# KiCad board GORAT circuit diagram.kicad_pcb
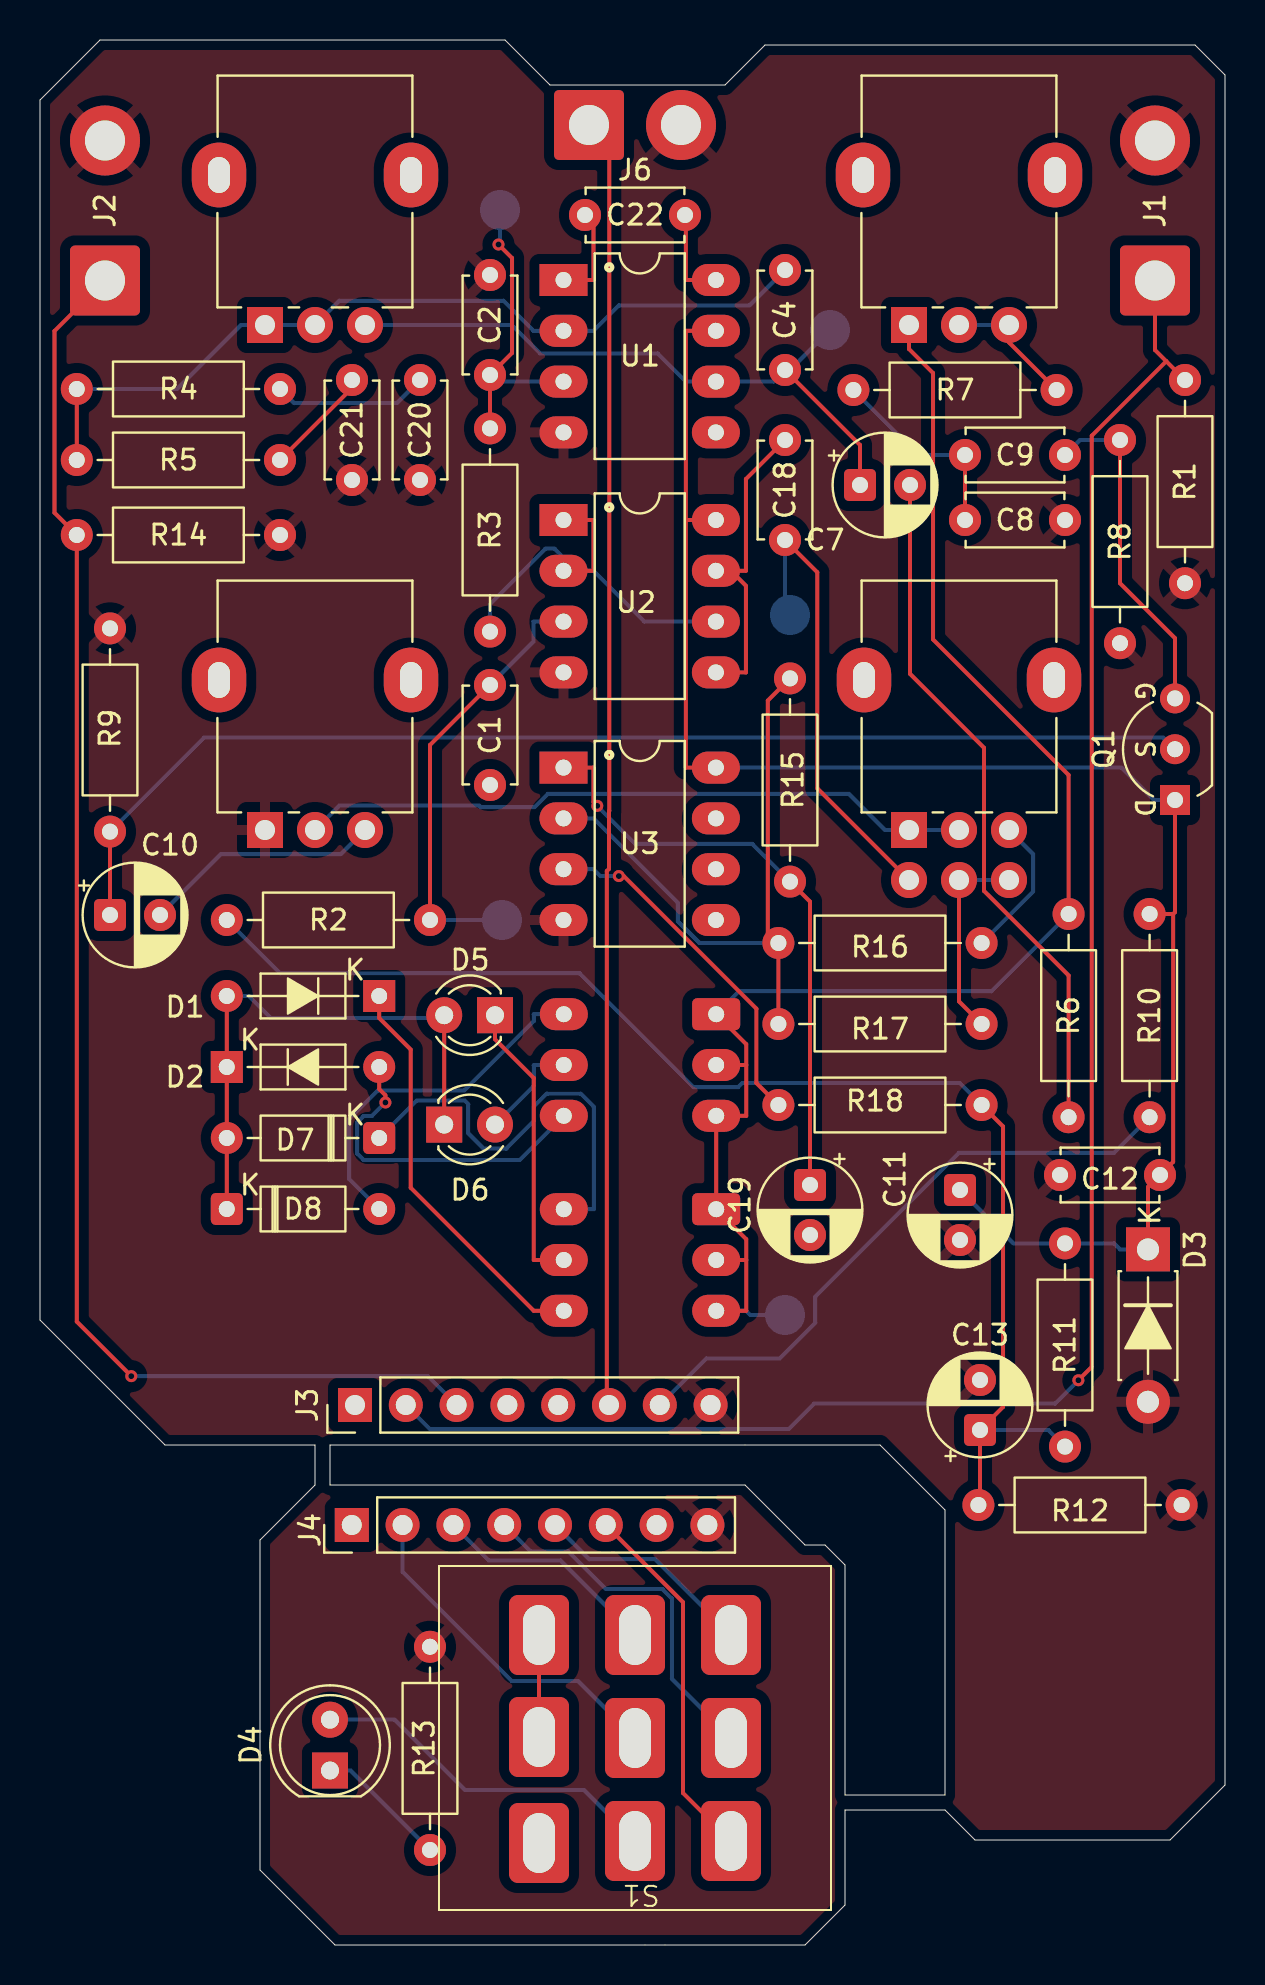
[diagram p0: board, top side]
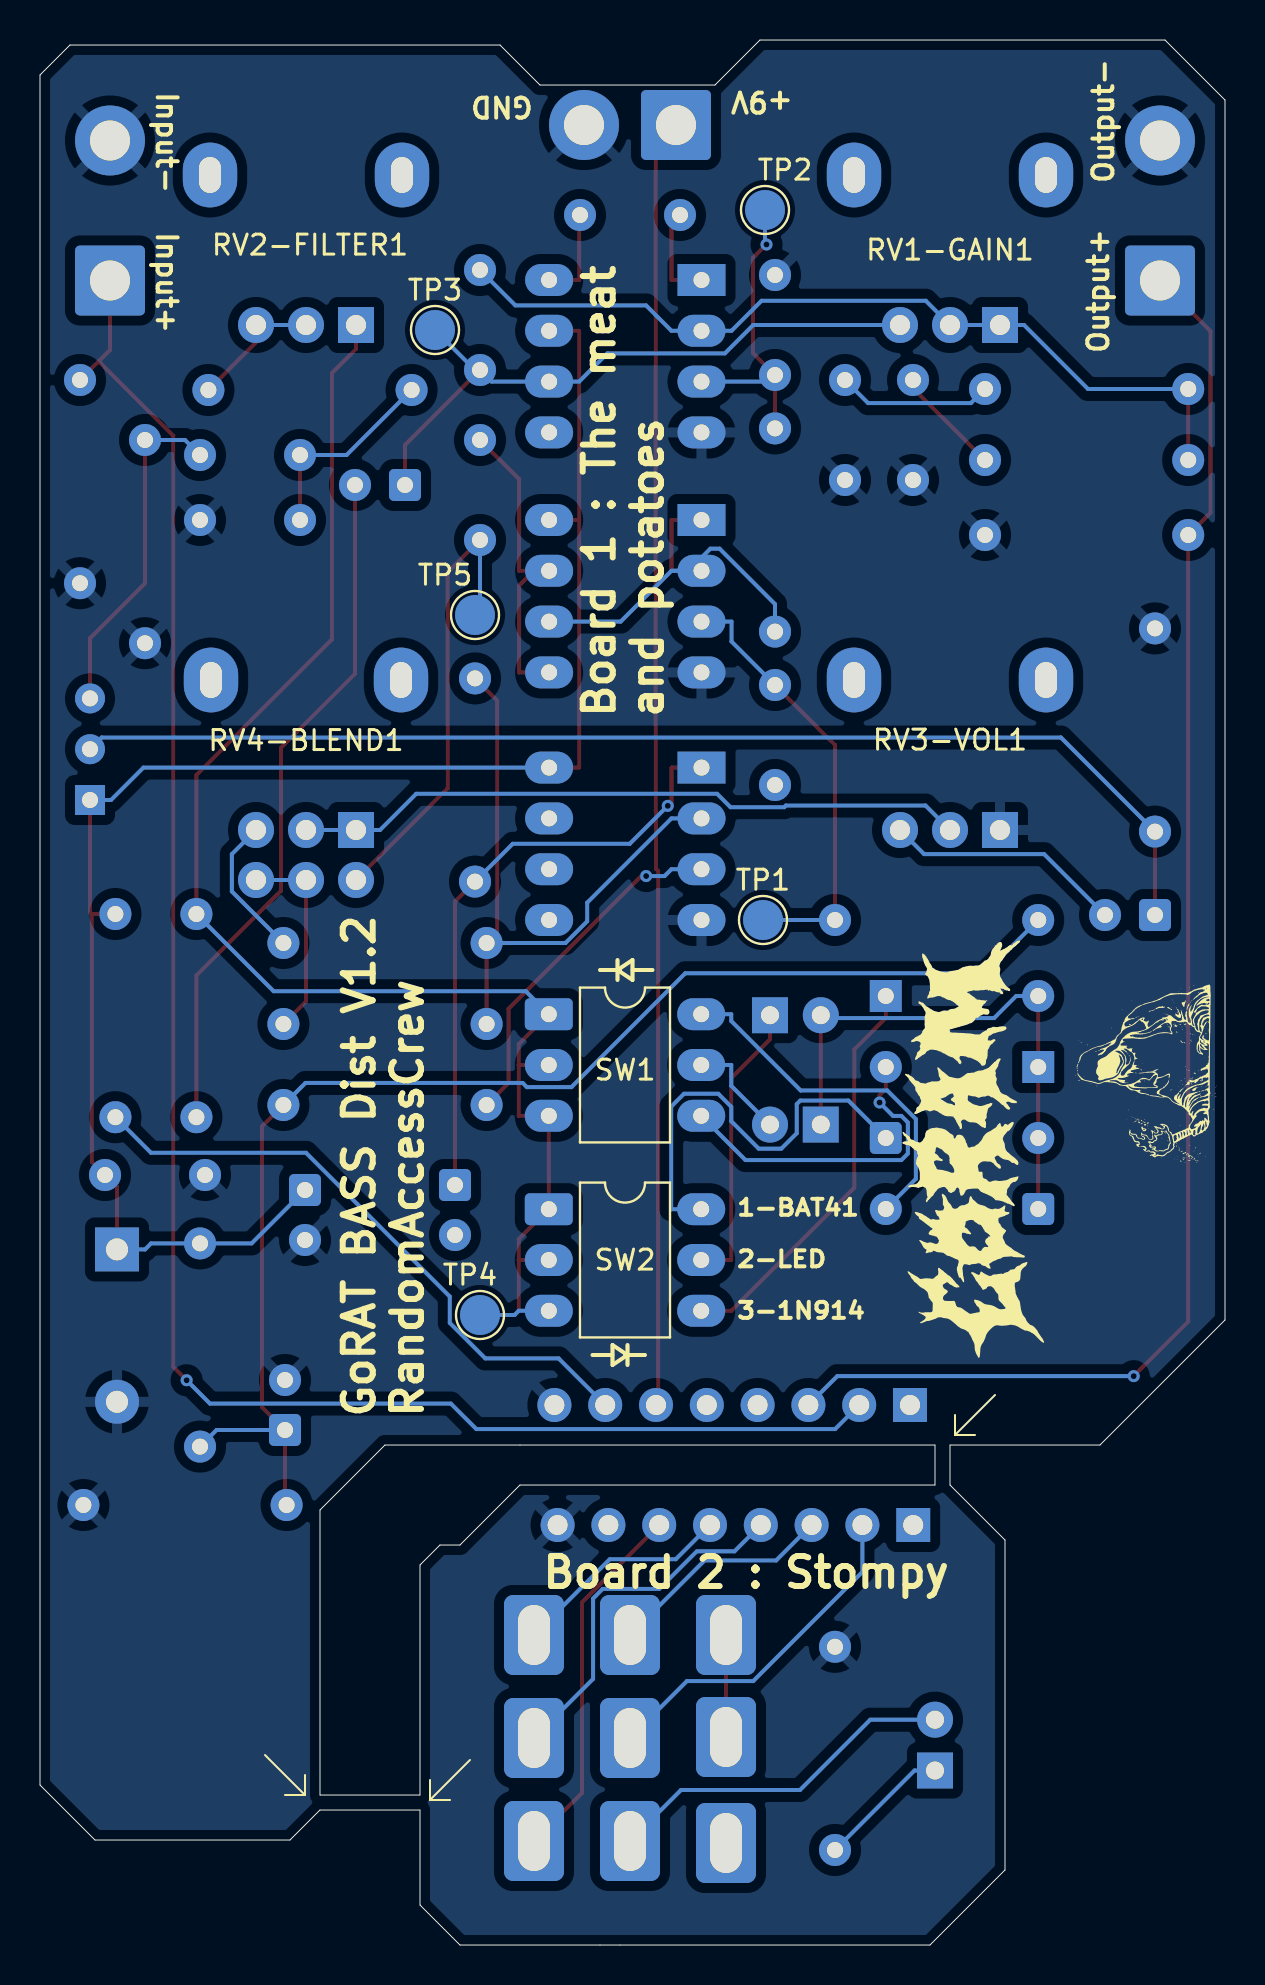
[diagram p1: board, bottom side, seen from below]

Outline 59.25 x 95.25 mm; copper layers: Top, Bottom. Coordinates in mm from the lower left corner of the outline.
Outline path: 0,92.25 0,31.25 6.25,25 13.75,25 13.75,23 11,20.25 11,3.75 14.75,0 38.25,0 40.25,2 40.25,6.75 45.25,6.75 46.75,5.25 56.5,5.25 59.25,8 59.25,93.5 57.75,95 36.25,95 34.25,93 25.5,93 23.25,95.25 3,95.25 0,92.25 ; 14.5,25 42,25 45.25,21.75 45.25,7.5 40.25,7.5 40.25,19 39.25,20 38.25,20 35.25,23 14.5,23 14.5,25

## Placement (name value [footprint] x y rotation side)
C1  22n  [C_Disc_D4.7mm_W2.5mm_P5.00mm]  22.5 58 90 top
C2  1n  [C_Disc_D4.7mm_W2.5mm_P5.00mm]  22.5 83.5 270 top
C4  100p  [C_Disc_D4.7mm_W2.5mm_P5.00mm]  37.25 78.75 90 top
C7  4.7u  [CP_Radial_D5.0mm_P2.50mm]  41 73 0 top
C8  3.3n  [C_Disc_D4.7mm_W2.5mm_P5.00mm]  51.25 71.25 180 top
C9  22n  [C_Disc_D4.7mm_W2.5mm_P5.00mm]  51.25 74.5 180 top
C10  1u  [CP_Radial_D5.0mm_P2.50mm]  3.5 51.5 0 top
C11  100u  [CP_Radial_D5.0mm_P2.50mm]  46 37.75 270 top
C12  0.1u  [C_Disc_D4.7mm_W2.5mm_P5.00mm]  51 38.5 0 top
C13  1u  [CP_Radial_D5.0mm_P2.50mm]  47 25.75 90 top
C18  470n  [C_Disc_D4.7mm_W2.5mm_P5.00mm]  37.25 75.25 270 top
C19  1u  [CP_Radial_D5.0mm_P2.50mm]  38.5 38 270 top
C20  220n  [C_Disc_D4.7mm_W2.5mm_P5.00mm]  19 73.25 90 top
C21  470n  [C_Disc_D4.7mm_W2.5mm_P5.00mm]  15.6 73.25 90 top
C22  33p  [C_Disc_D4.7mm_W2.5mm_P5.00mm]  32.25 86.5 180 top
D1  1N914  [D_DO-35_SOD27_P7.62mm_Horizontal#2]  16.96 47.45 180 top
D2  1N914  [D_DO-35_SOD27_P7.62mm_Horizontal#2]  9.34 43.9 0 top
D3  1N4002  [D_DO-41_SOD81_P7.62mm_Horizontal]  55.4 34.78 270 top
D4  Red  [LED_D5.0mm]  14.5 8.72 90 top
D5  Red  [LED_D3.0mm]  22.75 46.49 180 top
D6  Red  [LED_D3.0mm]  20.21 41.02 0 top
D7  BAT41  [D_DO-35_SOD27_P7.62mm_Horizontal]  16.96 40.35 180 top
D8  BAT41  [D_DO-35_SOD27_P7.62mm_Horizontal]  9.34 36.8 0 top
J1  AudioJack2  [SolderWire-0.75sqmm_1x02_P7mm_D1.25mm_OD3.5mm]  55.75 83.22 90 top
J2  AudioJack2  [SolderWire-0.75sqmm_1x02_P7mm_D1.25mm_OD3.5mm]  3.25 83.22 90 top
J3  Conn_01x08_Socket  [PinHeader_1x08_P2.54mm_Vertical]  15.75 27 90 top
J4  Conn_01x08_Socket  [PinHeader_1x08_P2.54mm_Vertical]  15.59 21 90 top
J6  Barrel_Jack  [SolderWire-0.5sqmm_1x02_P4.6mm_D0.9mm_OD2.1mm]  27.45 91 0 top
Q1  J111  [TO-92_Inline_Wide_DSG]  56.75 57.25 90 top
R1  1M  [R_Axial_DIN0207_L6.3mm_D2.5mm_P10.16mm_Horizontal]  57.25 68.09 90 top
R2  1M  [R_Axial_DIN0207_L6.3mm_D2.5mm_P10.16mm_Horizontal]  19.5 51.25 180 top
R3  1K  [R_Axial_DIN0207_L6.3mm_D2.5mm_P10.16mm_Horizontal]  22.5 75.83 270 top
R4  47  [R_Axial_DIN0207_L6.3mm_D2.5mm_P10.16mm_Horizontal]  1.84 77.8 0 top
R5  560  [R_Axial_DIN0207_L6.3mm_D2.5mm_P10.16mm_Horizontal]  1.84 74.25 0 top
R6  1K  [R_Axial_DIN0207_L6.3mm_D2.5mm_P10.16mm_Horizontal]  51.43 51.55 270 top
R7  1.5K  [R_Axial_DIN0207_L6.3mm_D2.5mm_P10.16mm_Horizontal]  40.67 77.75 0 top
R8  1M  [R_Axial_DIN0207_L6.3mm_D2.5mm_P10.16mm_Horizontal]  54 75.25 270 top
R9  10K  [R_Axial_DIN0207_L6.3mm_D2.5mm_P10.16mm_Horizontal]  3.5 55.67 90 top
R10  47  [R_Axial_DIN0207_L6.3mm_D2.5mm_P10.16mm_Horizontal]  55.48 41.39 90 top
R11  100K  [R_Axial_DIN0207_L6.3mm_D2.5mm_P10.16mm_Horizontal]  51.25 24.92 90 top
R12  100K  [R_Axial_DIN0207_L6.3mm_D2.5mm_P10.16mm_Horizontal]  57.08 22 180 top
R13  2.2k  [R_Axial_DIN0207_L6.3mm_D2.5mm_P10.16mm_Horizontal]  19.5 4.75 90 top
R14  1M  [R_Axial_DIN0207_L6.3mm_D2.5mm_P10.16mm_Horizontal]  12 70.5 180 top
R15  22k  [R_Axial_DIN0207_L6.3mm_D2.5mm_P10.16mm_Horizontal]  37.5 63.33 270 top
R16  22k  [R_Axial_DIN0207_L6.3mm_D2.5mm_P10.16mm_Horizontal]  47.08 50.1 180 top
R17  22k  [R_Axial_DIN0207_L6.3mm_D2.5mm_P10.16mm_Horizontal]  47.08 46.05 180 top
R18  1M  [R_Axial_DIN0207_L6.3mm_D2.5mm_P10.16mm_Horizontal]  47.08 42 180 top
RV1-GAIN1  100K  [Potentiometer_Alpha_RD901F-40-00D_Single_Vertical]  11.25 81 90 top
RV2-FILTER1  100K  [Potentiometer_Alpha_RD901F-40-00D_Single_Vertical]  43.45 81 90 top
RV3-VOL1  100K  [Potentiometer_Alpha_RD901F-40-00D_Single_Vertical]  11.25 55.75 90 top
RV4-BLEND1  100K  [Potentiometer_Alpha_RD902F-40-00D_Dual_Vertical]  43.45 55.75 90 top
S1  SWITCH-3PDT  [3PDT]  29.75 10.35 180 top
SW1  SW_DIP_x03  [DIP-6_W7.62mm_LongPads]  33.81 46.54 180 bottom
SW2  SW_DIP_x03  [DIP-6_W7.62mm_LongPads]  33.81 36.79 180 bottom
TP1  Input  [TestPoint_Pad_D2.0mm]  23.1 51.25 180 bottom
TP2  Pre-gain  [TestPoint_Pad_D2.0mm]  23 86.75 180 bottom
TP3  Post-gain  [TestPoint_Pad_D2.0mm]  39.5 80.75 180 bottom
TP4  Clipping  [TestPoint_Pad_D2.0mm]  37.25 31.5 180 bottom
TP5  Dry  [TestPoint_Pad_D2.0mm]  37.5 66.5 180 bottom
U1  OP07CP  [DIP-8_W7.62mm_LongPads]  26.18 83.25 0 top
U2  TL072ACP  [DIP-8_W7.62mm_LongPads]  26.18 71.25 0 top
U3  TL072ACP  [DIP-8_W7.62mm_LongPads]  26.18 58.87 0 top

## Library data of the parts
C1 C2 C4 C8 C9 C12 C18 C20-C22 = -: Description: Unpolarized capacitor; ki_fp_filters: C_*
C7 C10 C11 C13 C19 = -: Description: Polarized capacitor; ki_fp_filters: CP_*
D1 = -: Datasheet: https://datasheet.octopart.com/1N914ATR-ON-Semiconductor-datasheet-42765246.pdf; Description: DO-35 Diode, Small Signal, Fast Switching, 75V, 200mA, 4ns, Alternate KiCad Library; Sim.Device: D; Sim.Pins: 1=K 2=A; Sim.Library: C:\Users\nh22239\Downloads\1N914.lib; ki_fp_filters: TO-???* *_Diode_* *SingleDiode* D_*
D2 = -: Datasheet: https://datasheet.octopart.com/1N914ATR-ON-Semiconductor-datasheet-42765246.pdf; Description: DO-35 Diode, Small Signal, Fast Switching, 75V, 200mA, 4ns, Alternate KiCad Library; Sim.Library: C:\Users\nh22239\Downloads\1N914.lib; Sim.Device: D; Sim.Pins: 1=A 2=K; ki_fp_filters: TO-???* *_Diode_* *SingleDiode* D_*
D3 = -: Datasheet: https://www.tme.eu/Document/5f8ffc5ac30fc86bac97d66040bf5502/1n400x.pdf; Description: DO-41 Diode, Rectifier, 100V, 1A, Alternate KiCad Library; Sim.Library: C:\Users\nh22239\Downloads\1N4002.lib; Sim.Device: D; Sim.Pins: 1=A 2=K; ki_fp_filters: TO-???* *_Diode_* *SingleDiode* D_*
D4-D6 = -: Datasheet: https://cdn.sparkfun.com/assets/e/c/e/c/5/COM-09590-YSL-R531R3D-D2.pdf; Description: Light emitting diode PTH 5mm diameter; PROD_ID: DIO-09529; ki_fp_filters: LED* LED_SMD:* LED_THT:*
D7 D8 = -: Datasheet: http://www.vishay.com/docs/85659/bat41.pdf; Description: 100V 0.1A Small Signal Schottky Diode, DO-35; ki_fp_filters: D*DO?35*
J1 J2 = -: Description: Audio Jack, 2 Poles (Mono / TS); ki_fp_filters: Jack*
J3 J4 = -: Description: Generic connector, single row, 01x08, script generated; ki_fp_filters: Connector*:*_1x??_*
J6 = -: Description: DC Barrel Jack; ki_fp_filters: BarrelJack*
Q1 = -: Datasheet: https://www.tme.eu/Document/2ab8d7a6d6d8a209f9d7deeb52763e9f/J111.pdf; Description: TO-92 N-JFET transistor, 35V, 20mA, 625mW, Alternate KiCAD Library
R1-R18 = -: Description: Resistor; ki_fp_filters: R_*
RV1-GAIN1 RV2-FILTER1 RV3-VOL1 = -: Description: Potentiometer; ki_fp_filters: Potentiometer*
RV4-BLEND1 = -: Description: Dual potentiometer, separate units; ki_fp_filters: Potentiometer*
S1 = -: ki_fp_filters: *STOMP-SWITCH-3PDT*
SW1 SW2 = -: Description: 3x DIP Switch, Single Pole Single Throw (SPST) switch, small symbol; ki_fp_filters: SW?DIP?x3*
TP1-TP5 = -: Description: test point; ki_fp_filters: Pin* Test*
U1 = -: Datasheet: http://web.mit.edu/6.301/www/LM108.pdf; Description: DIP-8 Superbeta Operational Amplifier, 7nA Input Bias Current, 7.5mV Offset, 30μV/°C Drift, Alternate KiCAD Library; Sim.Device: SUBCKT; Sim.Library: C:\Users\nh22239\Downloads\lm3082.lib; Sim.Name: LM308_SYMBOL; Sim.Pins: 1=6 2=2 3=1 4=4 6=5 7=3 8=7 8=8
U2 U3 = -: Datasheet: https://www.ti.com/lit/ds/symlink/tl072h.pdf?ts=1635057479364; Description: DIP-8 Dual JFET Low Noise Operational Amplifier, 6mV Offset, 8nV/√Hz Noise, 1MHz GBW, Alternate KiCAD Library

## Footprints (pads in the part's own frame, mm; a bottom-side part is the same pattern mirrored in y, then rotated)
3PDT
  rrect 3x4 hole 1.6x3: P$1(-4.8,-5.15) P$2(0,-5.15) P$3(4.8,-5.15) P$4(-4.8,0) P$5(0,0) P$6(4.8,-0.05) P$7(-4.8,5.15) P$8(0,5.15) P$9(4.8,5.25)
C_Disc_D4.7mm_W2.5mm_P5.00mm
  round 1.6 hole 0.8: 1(0,0) 2(5,0)
CP_Radial_D5.0mm_P2.50mm
  rrect 1.6x1.6 hole 0.8: 1(0,0)
  round 1.6 hole 0.8: 2(2.5,0)
D_DO-35_SOD27_P7.62mm_Horizontal
  rrect 1.6x1.6 hole 0.8: 1(0,0)
  round 1.6 hole 0.8: 2(7.62,0)
D_DO-35_SOD27_P7.62mm_Horizontal#2
  rect 1.6x1.6 hole 0.8: 1(0,0)
  oval 1.6x1.6 hole 0.8: 2(7.62,0)
D_DO-41_SOD81_P7.62mm_Horizontal
  rect 2.2x2.2 hole 1.1: 1(0,0)
  oval 2.2x2.2 hole 1.1: 2(7.62,0)
DIP-6_W7.62mm_LongPads
  rrect 2.4x1.6 hole 0.8: 1(0,0)
  oval 2.4x1.6 hole 0.8: 2(0,-2.54) 3(0,-5.08) 4(7.62,-5.08) 5(7.62,-2.54) 6(7.62,0)
DIP-8_W7.62mm_LongPads
  rect 2.4x1.6 hole 0.8: 1(0,0)
  oval 2.4x1.6 hole 0.8: 2(0,-2.54) 3(0,-5.08) 4(0,-7.62) 5(7.62,-7.62) 6(7.62,-5.08) 7(7.62,-2.54) 8(7.62,0)
LED_D3.0mm
  rect 1.8x1.8 hole 0.9: 1(0,0)
  round 1.8 hole 0.9: 2(2.54,0)
LED_D5.0mm
  rect 1.8x1.8 hole 0.9: 1(0,0)
  round 1.8 hole 0.9: 2(2.54,0)
PinHeader_1x08_P2.54mm_Vertical
  rect 1.7x1.7 hole 1: 1(0,0)
  round 1.7 hole 1: 2(0,-2.54) 3(0,-5.08) 4(0,-7.62) 5(0,-10.16) 6(0,-12.7) 7(0,-15.24) 8(0,-17.78)
Potentiometer_Alpha_RD901F-40-00D_Single_Vertical
  oval 3.24x2.72 hole 1.8x1.1: (7.5,2.3) (7.5,-7.3)
  rect 1.8x1.8 hole 1: 1(0,0)
  round 1.8 hole 1: 2(0,-2.5) 3(0,-5)
Potentiometer_Alpha_RD902F-40-00D_Dual_Vertical
  oval 3.24x2.72 hole 1.8x1.1: (7.5,2.25) (7.5,-7.25)
  rect 1.8x1.8 hole 1: 1(0,0)
  round 1.8 hole 1: 2(0,-2.5) 3(0,-5) 4(-2.5,0) 5(-2.5,-2.5) 6(-2.5,-5)
R_Axial_DIN0207_L6.3mm_D2.5mm_P10.16mm_Horizontal
  round 1.6 hole 0.8: 1(0,0) 2(10.16,0)
SolderWire-0.5sqmm_1x02_P4.6mm_D0.9mm_OD2.1mm
  rrect 3.5x3.5 hole 2: 1(0,0)
  round 3.5 hole 2: 2(4.6,0)
SolderWire-0.75sqmm_1x02_P7mm_D1.25mm_OD3.5mm
  rrect 3.5x3.5 hole 2: 1(0,0)
  round 3.5 hole 2: 2(7,0)
TestPoint_Pad_D2.0mm
  round 2 smd: 1(0,0)
TO-92_Inline_Wide_DSG
  rect 1.5x1.5 hole 0.8: 1(0,0)
  round 1.5 hole 0.8: 2(2.54,0) 3(5.08,0)

## Nets
+4.5V: C13.1 R2.2 R11.1 R12.2 R18.1
+9V: C11.1 C12.2 D3.1 Q1.1 R10.2 R11.2 U1.7 U2.8 U3.8
/+9v Jack1: J3.6 J6.1
/+9v Jack2: J4.6 S1.P$7
GND: C2.1 C8.1 C11.2 C12.1 C13.2 C20.1 C21.1 D3.2 J1.2 J2.2 J3.8 J6.2 R1.1 R8.2 R9.2 R12.1 R14.1 RV3-VOL1.1 U1.4 U2.4 U3.4
GND2: J4.8 R13.2
GND3: D1.2 D2.1 D5.2 D6.1 D7.2 D8.1
Vin1: J3.7 R10.1
Vin2: J4.7
/Bypass: S1.P$3 S1.P$6
/JackIn1: J1.1 J3.2 R1.2
/JackIn2: J4.2 S1.P$5
/JackOut1: J2.1 J3.3 R14.2
/JackOut2: J4.3 S1.P$2
/Off: S1.P$9
Bypass1: J3.1
Bypass2: J4.1
SigDRY: C18.2 RV4-BLEND1.4 TP5.1
SigIn: C1.1
SigIn1: J3.4
SigIn2: J4.4 S1.P$4
SigOut: C19.2
SigOut1: J3.5
SigOut2: J4.5 S1.P$1
SigRAT: RV3-VOL1.2 RV4-BLEND1.1 RV4-BLEND1.2
Net-(C4-Pad1): C4.1 C7.1 RV1-GAIN1.3 TP3.1 U1.6
Net-(C7-Pad2): C7.2 R6.2
Net-(C8-Pad2): C8.2 C9.2 R7.1
Net-(C10-Pad2): C10.2 RV3-VOL1.3
Net-(C19-Pad1): C19.1 R15.2 U3.1
Net-(C20-Pad2): C20.2 R4.2
Net-(C21-Pad2): C21.2 R5.2
Net-(C22-Pad1): C22.1 U1.8
Net-(C22-Pad2): C22.2 U1.1
Net-(D1-K): D1.1 SW2.4
Net-(D2-A): D2.2 SW1.4
Net-(D4-A): D4.2 S1.P$8
Net-(D4-K): D4.1 R13.1
Net-(D5-K): D5.1 SW2.5
Net-(D6-A): D6.2 SW1.5
Net-(D7-K): D7.1 SW2.6
Net-(D8-A): D8.2 SW1.6
Net-(Q1-G): C9.1 Q1.3 R8.1
Net-(Q1-S): C10.1 Q1.2 R9.1
Net-(R6-Pad1): R6.1 RV2-FILTER1.1 SW1.1 SW1.2 SW1.3 SW2.1 SW2.2 SW2.3 TP4.1
Net-(R7-Pad2): R7.2 RV2-FILTER1.2 RV2-FILTER1.3
Net-(R16-Pad1): R16.1 RV4-BLEND1.3
Net-(R17-Pad1): R17.1 RV4-BLEND1.5 RV4-BLEND1.6
Net-(U1-+): C2.2 R3.1 TP2.1 U1.3
Net-(U1--): C4.2 R4.1 R5.1 RV1-GAIN1.1 RV1-GAIN1.2 U1.2
Net-(U2A-+): C1.2 R2.1 TP1.1 U2.3
Net-(U2A--): R3.2 U2.1 U2.2 U2.6
Net-(U2B-+): C18.1 U2.5 U2.7
Net-(U3A-+): R18.2 U3.3
Net-(U3A--): R15.1 R16.2 R17.2 U3.2

Pads without a net: U1 5; U3 5 6 7

## Via types
v1: diameter 0.6, hole 0.3, Top to Bottom, 6 vias

## Routing (per net, layer and track width the routed paths; a pad name or vN(x,y) marks a point on that pad's centre or on a via; arc(x,y) is an arc through that point)
+4.5V: length 67.3
  Top w0.2: R12.2 47,22.08 C13.1 48.15,26.9 48.15,40.93 R18.1
  Bottom w0.2: R18.1 45.98,43.1 35.12,43.1 34.91,42.89 32.68,42.89 26.98,48.59 12,48.59 R2.2 ; C13.1 50.42,25.75 R11.1
+9V: length 84.8
  Top w0.2: 32.29,71.25 32.29,80.71 33.79,80.71 ; 32.29,71.25 33.79,71.25 ; 32.29,71.25 32.29,58.87 33.79,58.87 ; 56.66,51.55 56.66,39.16 C12.2 55.4,37.9 D3.1 ; 56.66,51.55 56.75,51.64 Q1.1 ; 56.66,51.55 R10.2
  Bottom w0.2: Q1.1 55.7,57.25 54.08,58.87 33.79,58.87 ; D3.1 54,34.78 53.7,35.08 R11.2 48.67,35.08 C11.1
/+9v Jack1: length 64.5
  Top w0.2: J6.1 28.46,89.99 28.46,56.71 28.45,56.69 28.45,53.81 28.34,53.7 28.34,27.11 J3.6
/+9v Jack2: length 18.4
  Top w0.2: S1.P$7 32.15,7.6 32.15,17.14 J4.6
GND3: length 27.5
  Top w0.2: D5.2 D6.1 ; D1.2 D2.1 D7.2 D8.1
  Bottom w0.2: D1.2 10.44,47.45 11.54,46.35 20.07,46.35 D5.2
Vin1: length 31.2
  Bottom w0.2: J3.7 33.32,29.33 36.98,29.33 38.76,31.11 38.76,32.42 45.95,39.61 53.7,39.61 R10.1
/Bypass: length 5.1
  Top w0.2: S1.P$3 S1.P$6
/JackIn1: length 93.5
  Top w0.2: 56.31,79.19 55.75,79.75 J1.1 ; 56.31,79.19 52.59,75.46 52.59,28.91 v1(51.92,28.24) ; 56.31,79.19 R1.2
  Bottom w0.2: v1(51.92,28.24) 50.75,27.07 38.71,27.07 37.44,25.8 19.49,25.8 J3.2
/JackIn2: length 17.4
  Bottom w0.2: S1.P$5 26.9,13.2 23.59,13.2 18.13,18.65 J4.2
/JackOut1: length 74.3
  Top w0.2: v1(4.56,28.44) 1.84,31.17 R14.2 0.72,71.61 0.72,80.7 J2.1
  Bottom w0.2: v1(4.56,28.44) 19.39,28.44 J3.3
/JackOut2: length 11.4
  Bottom w0.2: S1.P$2 26.02,19.23 22.44,19.23 J4.3
SigDRY: length 23.4
  Top w0.2: RV4-BLEND1.4 38.86,57.84 38.86,68.64 C18.2
  Bottom w0.2: TP5.1 37.25,66.75 C18.2
SigIn2: length 18.1
  Bottom w0.2: S1.P$4 31.6,13.3 31.6,17.32 31.11,17.8 28.29,17.8 26.41,19.68 24.53,19.68 J4.4
SigOut2: length 11.1
  Bottom w0.2: J4.5 27.46,19.29 30.76,19.29 S1.P$1
SigRAT: length 33.8
  Bottom w0.2: RV4-BLEND1.2 RV4-BLEND1.1 42.25,55.75 40.44,57.56 25.39,57.56 24.73,56.89 22.04,56.89 21.96,56.97 14.97,56.97 RV3-VOL1.2
Net-(C4-Pad1): length 32.9
  Top w0.2: C4.1 41,75 C7.1
  Bottom w0.2: C4.1 37.5,78.75 TP3.1 ; C4.1 36.67,78.17 32.29,78.17 30.88,79.58 25.01,79.58 23.59,81 RV1-GAIN1.3 ; C4.1 37.36,78.86
Net-(C7-Pad2): length 34.9
  Top w0.2: R6.2 51.43,48.48 47.2,52.71 47.2,59.86 43.5,63.56 C7.2
Net-(C8-Pad2): length 10.2
  Top w0.2: C8.2 C9.2
  Bottom w0.2: C9.2 43.92,74.5 R7.1
Net-(C10-Pad2): length 12
  Bottom w0.2: C10.2 9.04,54.54 15.04,54.54 RV3-VOL1.3
Net-(C19-Pad1): length 30.3
  Top w0.2: U3.1 27.68,58.87 27.68,57.14 v1(27.86,56.96) ; R15.2 38.5,52.17 C19.1
  Bottom w0.2: R15.2 35.61,55.06 29.76,55.06 v1(27.86,56.96)
Net-(C20-Pad2): length 7.8
  Bottom w0.2: C20.2 17.85,77.1 12.7,77.1 R4.2
Net-(C21-Pad2): length 5.5
  Top w0.2: R5.2 15.6,77.85 C21.2
Net-(C22-Pad1): length 4.8
  Top w0.2: C22.1 32.29,86.46 32.29,83.25 33.79,83.25
Net-(C22-Pad2): length 4.9
  Top w0.2: C22.2 27.68,86.07 27.68,83.25 U1.1
Net-(D1-K): length 20.4
  Top w0.2: D1.1 16.96,46.35 18.54,44.77 18.54,37.86 24.69,31.71 SW2.4
Net-(D2-A): length 16.7
  Top w0.2: v1(17.27,42.12) 17.27,42.49 16.96,42.8 D2.2
  Bottom w0.2: v1(17.27,42.12) 16.6,41.45 16.18,41.45 15.86,41.13 15.86,39.57 16.18,39.25 23.98,39.25 SW1.4
Net-(D4-A): length 17.8
  Bottom w0.2: D4.2 17.74,11.26 21.25,7.75 27.2,7.75 S1.P$8
Net-(D4-K): length 6.6
  Bottom w0.2: D4.1 15.53,8.72 R13.1
Net-(D5-K): length 14.5
  Top w0.2: SW2.5 24.69,34.25 24.69,43.35 22.75,45.29 D5.1
Net-(D6-A): length 5.3
  Bottom w0.2: SW1.5 24.69,44 24.69,42.96 D6.2
Net-(D7-K): length 21.8
  Bottom w0.2: D7.1 18.83,42.22 21.24,42.22 21.41,42.05 21.41,40.59 22.18,39.82 23.31,39.82 24.69,41.19 24.69,41.92 25.33,42.56 27.05,42.56 27.69,41.92 27.69,36.79 SW2.6
Net-(D8-A): length 18.2
  Bottom w0.2: D8.2 15.46,38.3 15.46,41.3 16.89,42.73 21.22,42.73 24.69,46.2 24.69,46.54 SW1.6
Net-(Q1-G): length 17.1
  Top w0.2: Q1.3 56.75,65.34 54,68.09 R8.1
  Bottom w0.2: R8.1 52,75.25 C9.1
Net-(Q1-S): length 59.6
  Top w0.2: R9.1 C10.1
  Bottom w0.2: R9.1 8.2,60.37 56.17,60.37 Q1.2
Net-(R6-Pad1): length 78.4
  Top w0.2: SW2.2 35.31,34.25 ; 35.31,34.25 35.31,31.71 SW2.3 ; 35.31,34.25 35.31,35.29 SW2.1 33.81,40.71 34.56,41.46 ; SW1.2 35.31,44 ; 35.31,44 35.31,41.46 34.56,41.46 ; 35.31,44 35.31,45.04 SW1.1 ; SW1.3 34.56,41.46 ; R6.1 51.43,58.5 44.65,65.28 44.65,78.6 43.45,79.8 RV2-FILTER1.1
  Bottom w0.2: SW2.3 35.31,31.71 35.52,31.5 TP4.1 ; R6.1 47.57,47.69 34.96,47.69 SW1.1
Net-(R7-Pad2): length 6.7
  Top w0.2: R7.2 48.45,80.13 RV2-FILTER1.3
  Bottom w0.2: RV2-FILTER1.3 RV2-FILTER1.2
Net-(R16-Pad1): length 7.2
  Bottom w0.2: R16.1 49.66,52.68 49.66,54.54 RV4-BLEND1.3
Net-(R17-Pad1): length 10.2
  Top w0.2: R17.1 45.95,47.18 RV4-BLEND1.5
  Bottom w0.2: RV4-BLEND1.5 RV4-BLEND1.6
Net-(U1-+): length 15.5
  Top w0.2: R3.1 C2.2 23.6,79.6 23.6,84.35 v1(22.92,85.03)
  Bottom w0.2: C2.2 22.83,78.17 U1.3 ; TP2.1 23,85.1 v1(22.92,85.03)
Net-(U1--): length 42.7
  Top w0.2: R5.1 R4.1
  Bottom w0.2: R4.1 6.85,77.8 10.05,81 RV1-GAIN1.1 RV1-GAIN1.2 14.96,82.21 23.17,82.21 24.67,80.71 U1.2 27.68,80.71 28.95,81.98 35.48,81.98 C4.2
Net-(U2A-+): length 22.2
  Top w0.2: C1.2 19.5,60 R2.1
  Bottom w0.2: C1.2 24.67,65.17 24.67,66.17 U2.3 ; R2.1 TP1.1
Net-(U2A--): length 22.4
  Top w0.2: U2.2 27.68,68.71 27.68,71.25 U2.1
  Bottom w0.2: 33.79,66.17 30.22,66.17 27.68,68.71 ; 27.68,68.71 26.84,68.71 25.73,69.82 25.27,69.82 22.5,67.05 R3.2 ; 27.68,68.71 U2.2
Net-(U2B-+): length 15.7
  Top w0.2: C18.1 35.3,73.3 35.3,68.71 34.55,68.71 ; 34.55,68.71 33.79,68.71 ; 34.55,68.71 35.3,67.96 35.3,63.63 33.79,63.63
Net-(U3A-+): length 17.8
  Top w0.2: v1(28.94,53.45) 29.19,53.45 35.82,46.82 35.82,43.1 R18.2
  Bottom w0.2: U3.3 27.68,53.79 28.02,53.45 v1(28.94,53.45)
Net-(U3A--): length 31.8
  Top w0.2: R15.1 36.39,62.22 36.39,50.63 R16.2 R17.2
  Bottom w0.2: R16.2 32.98,50.1 31.89,51.19 31.89,52.12 27.68,56.33 U3.2

## Copper pours and planes (outline as drawn; the poured copper is in the pictures)
GND on Top, Bottom: -2.25,95.75 59.25,95.25 59.5,0.75 45.25,0.75 43.5,22.5 37.5,24 -1.75,24
GND2 on Top, Bottom: 41,20.5 40.75,-1 9.5,-1.25 10.5,24 37.5,24

## Text on the board
B.Silkscreen: 1-BAT41 / 2-LED / 3-1N914 | Input- | Input+ | +9V | GND | Output- | Output+ | Board 2 : Stompy | Board 1 : The meat / and potatoes | GoRAT BASS Dist V1.2 / RandomAccessCrew
